# Altium PCB AD6645.PcbDoc (part 1 of 2)
Units mil, origin at the board's own origin, x right, y up, seen from the top; angles counter-clockwise.
Board outline 2685.03 x 2690.03 mil, 4 copper layers (Top Layer, GND Layer, PWR Layer, Bottom Layer), stack 61.855 mil thick; 69 components, 85 nets, 366 pads, 493 vias.
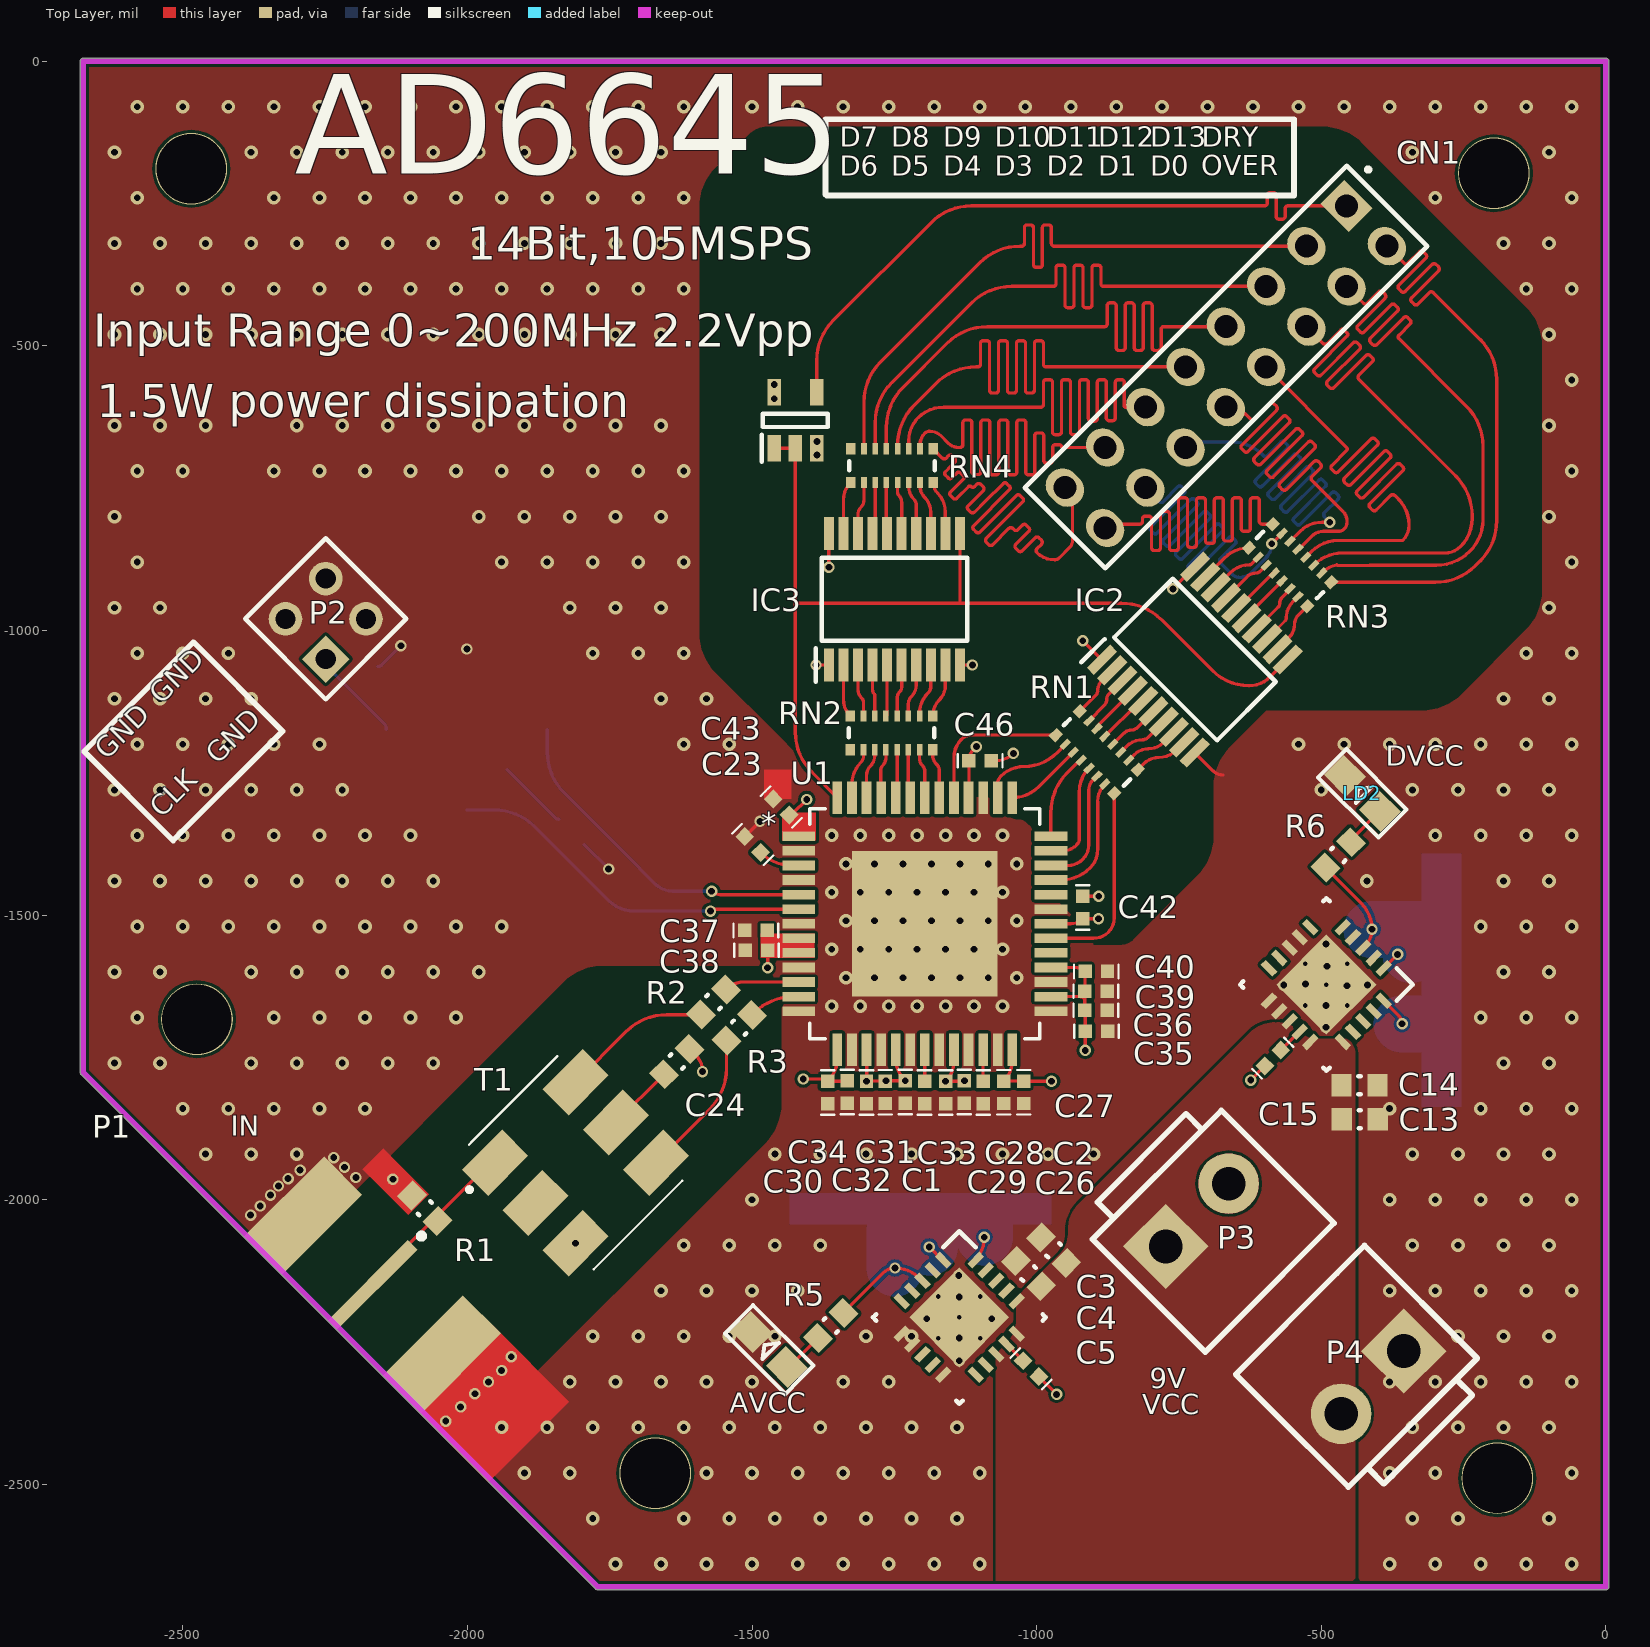
[diagram p0: Top Layer view]
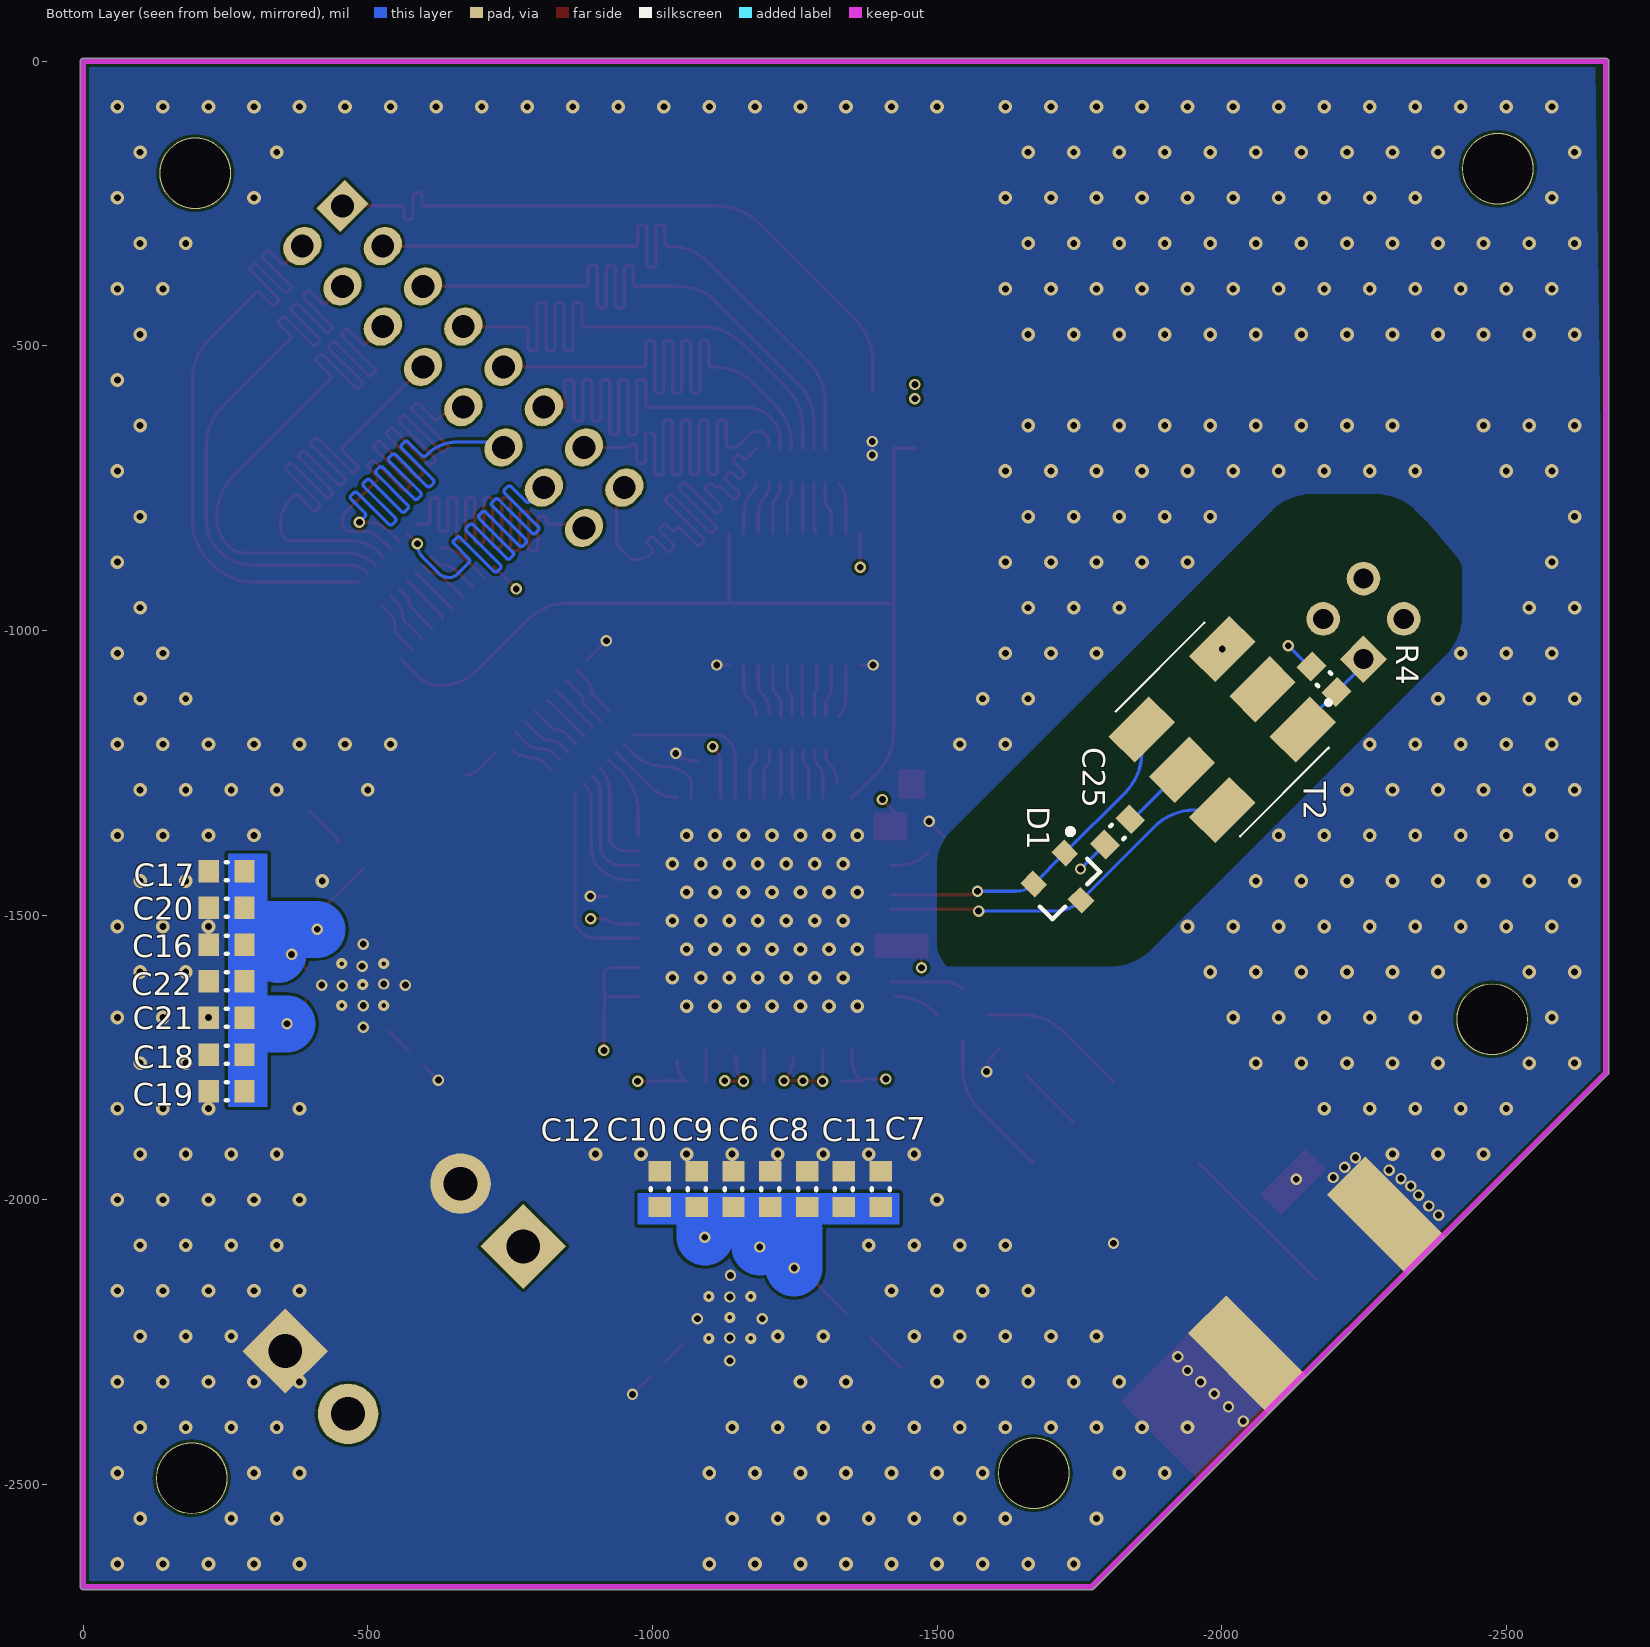
[diagram p1: Bottom Layer view, seen from below]
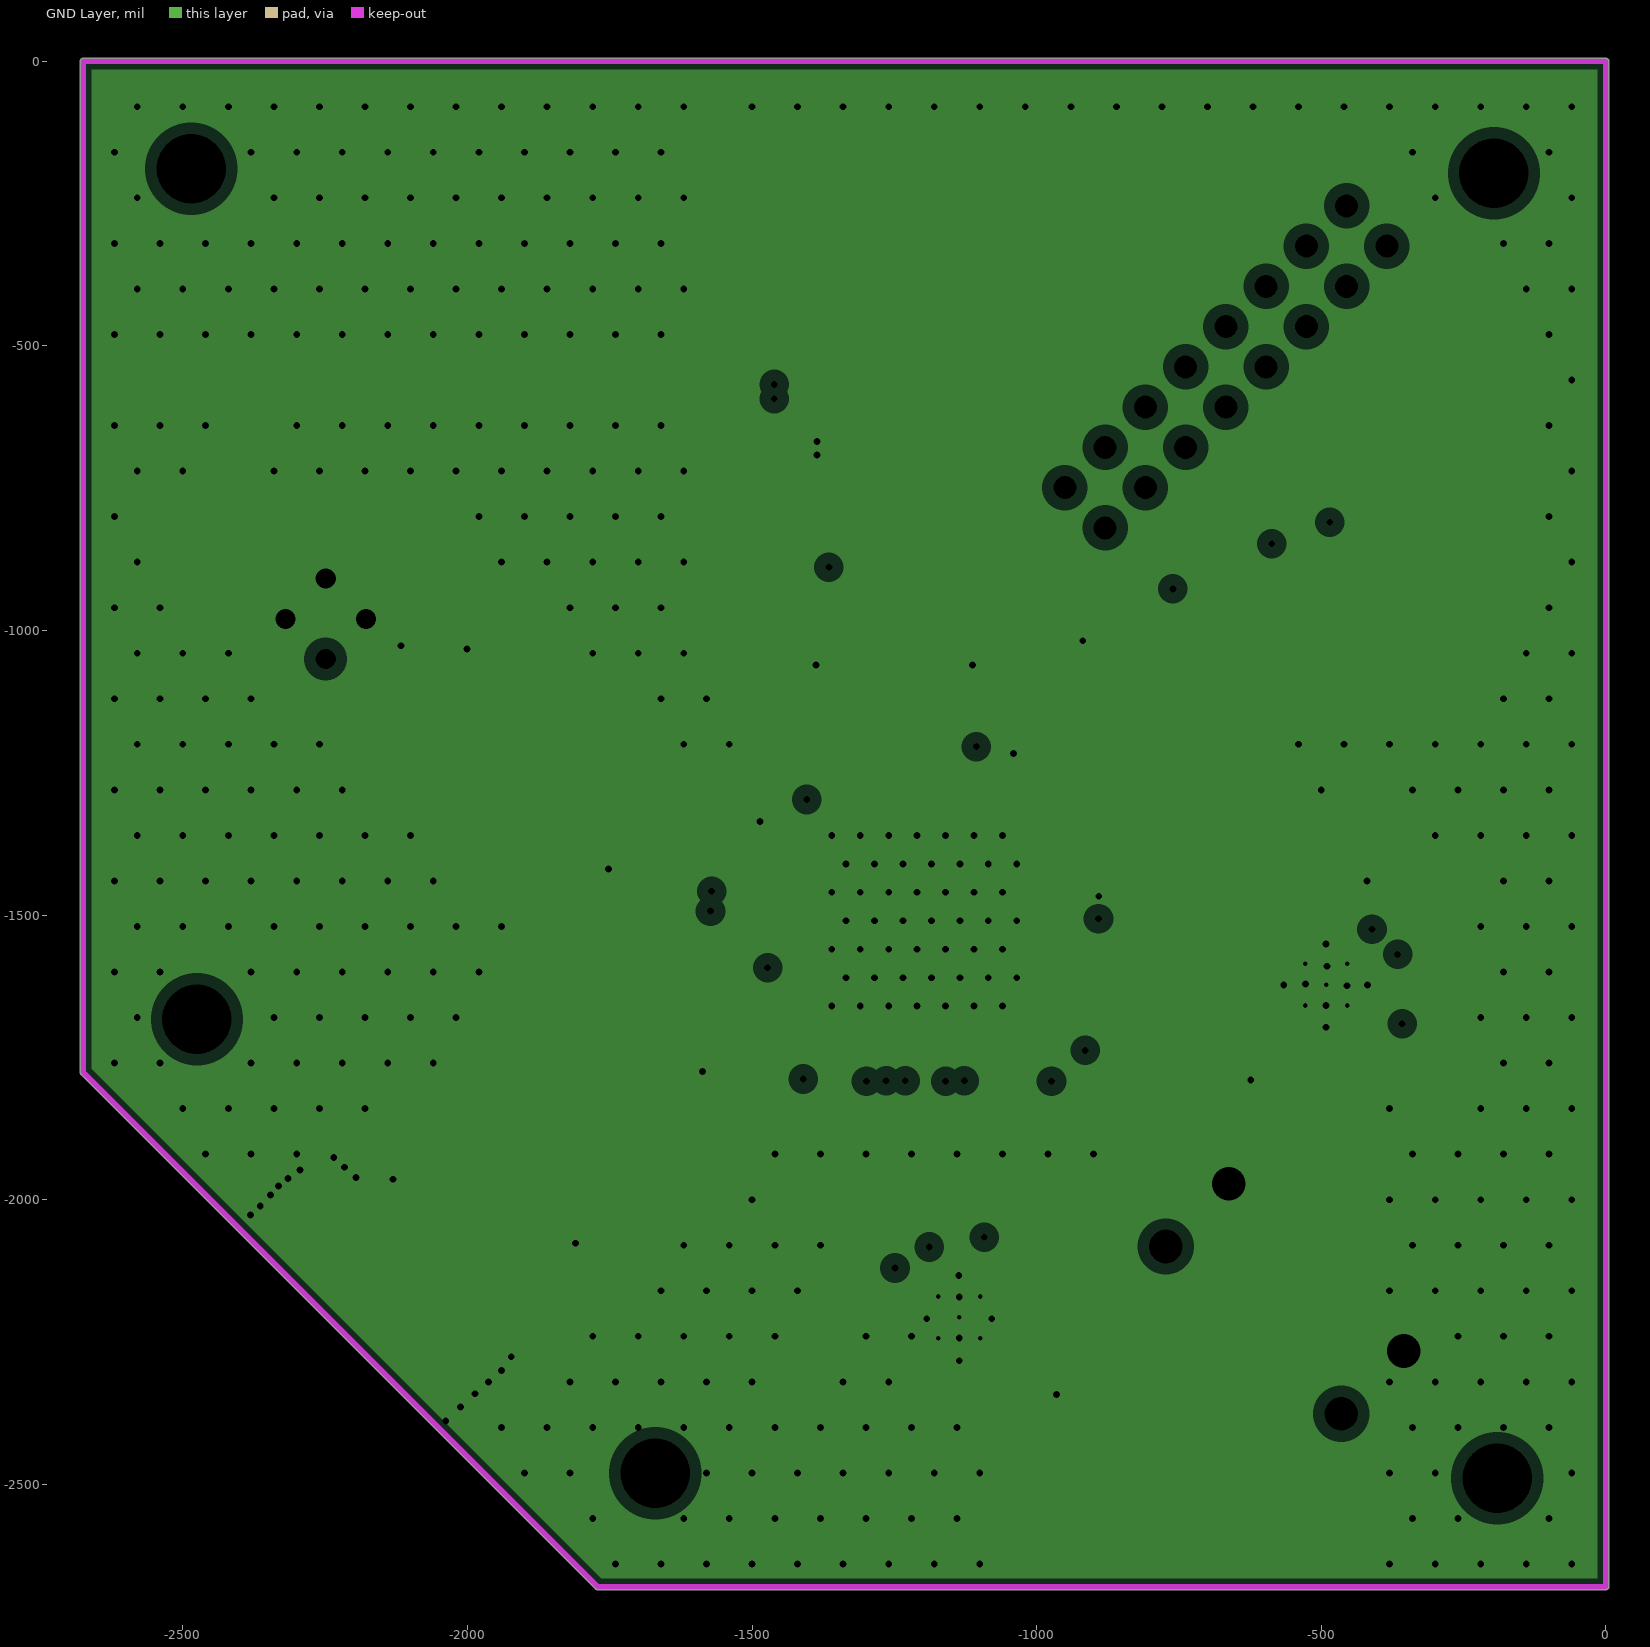
[diagram p2: GND Layer, clearances drawn from the general rule]
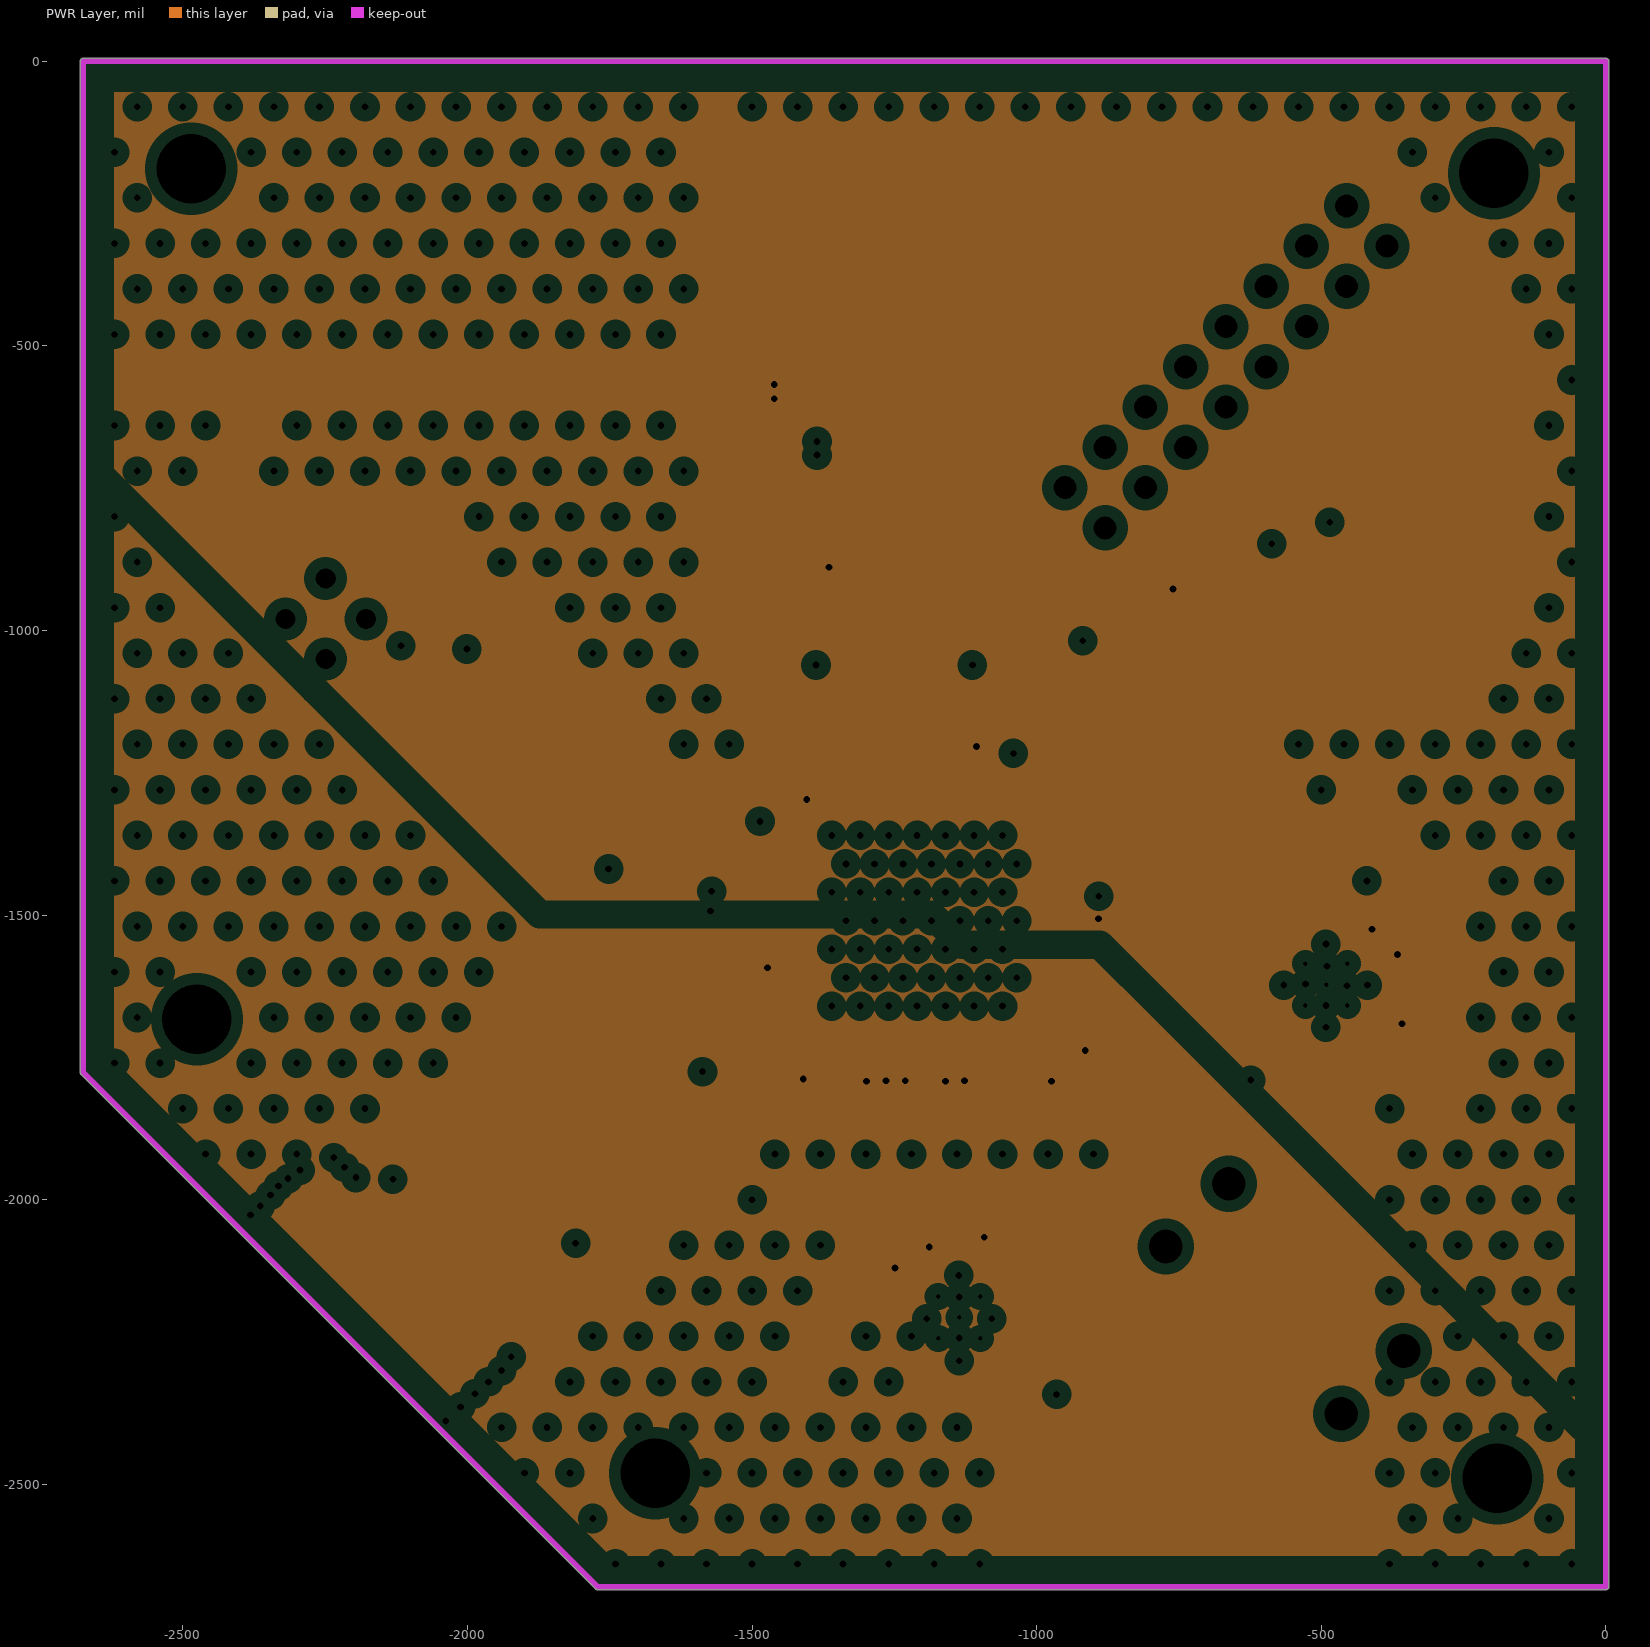
[diagram p3: PWR Layer, clearances drawn from the general rule]

## Layer stack, top to bottom
Top Solder: solder mask 0.4, Solder Resist, Dk 3.5
Top Layer: signal copper 1.4
Dielectric 1: core 3.937, FR-4, Dk 4.2
GND Layer: plane copper 0.689, net GND
Dielectric 3: prepreg 49.8031, Dk 4.2
PWR Layer: plane copper 0.689, net (Multiple Nets)
Dielectric 2: core 3.937, Dk 4.2
Bottom Layer: signal copper 1.4
Bottom Solder: solder mask 0.4, Solder Resist, Dk 3.5

## Board outline
-2678.53,-1780.22 cw(c-2675,-1776.65) -2680.01,-1776.65 -2680.01,0 cw(c-2675,0) -2675,5.01 0,5.01 cw(c0,0) 5.01,0 5.01,-2680 cw(c0,-2680) 0,-2685.02 -1771.65,-2685.02 cw(c-1771.65,-2680) -1775.22,-2683.53 -1775.2,-2683.55

## Design rules (kind name [scope] priority, off if disabled: settings)
Clearance "Stitching GND" [IsStitchingVia and InNet('GND') vs (IsVia and (Not IsStitchingVia)) Or IsPad] p1: gap=5 ignorepadtopadclearanceinfootprint=FALSE except(0: Arc-SMDPad Arc-THPad Track-SMDPad Track-THPad SMDPad-SMDPad SMDPad-THPad SMDPad-Via SMDPad-Fill SMDPad-Poly SMDPad-Region SMDPad-Text SMDPad-Hole THPad-THPad THPad-Via THPad-Fill THPad-Poly THPad-Region THPad-Text THPad-Hole)
Clearance [All] p2: gap=5 ignorepadtopadclearanceinfootprint=FALSE
PlaneClearance [All] p1: clearance=20
PlaneConnect [All] p1: planeconnectstyle=Direct reliefexpansion=40 reliefentries=4 reliefconductorwidth=10 reliefairgap=10
PolygonConnect [All] p1: connectstyle=Direct reliefconductorwidth=40 reliefentries=4 polygonreliefangle="90 Angle" airgapwidth=10
RoutingVias [All] p1: holewidth=28 width=50 viastyle="Through Hole" minholewidth=28 minwidth=50 maxholewidth=28 maxwidth=50
SolderMaskExpansion [All] p1: expansion=4
Width [InNetClass('PWR')] p1: maxlimit=1000 minlimit=5 preferedwidth=100
Width Width_1 [All] p2: maxlimit=100 minlimit=1 preferedwidth=5.78
28 further rules are at their usual default settings.

## Classes and differential pairs
component class AD6645: C1 C2 C3 C4 C5 C6 C7 C8 C9 C10 C11 C12 C13 C14 C15 C16 C17 C18 C19 C20 C21 C22 C23 C24 C25 C26 C27 C28 C29 C30 C31 C32 C33 C34 C35 C36 C37 C38 C39 C40 C42 C43 C46 CN1 D1 IC2 IC3 P1 P2 P3 P4 R1 R2 R3 R4 R5 R6 RN1 RN2 RN3 RN4 T1 T2 U1 ""
net class dengchang: D0_OUT D1_OUT D2_OUT D3_OUT D4_OUT D5_OUT D6_OUT D7_OUT D8_OUT D9_OUT D10_OUT D11_OUT D12_OUT D13_OUT DRY_OUT
